# Altium PCB Archimbu.PcbDoc (part 5 of 5) (continued)
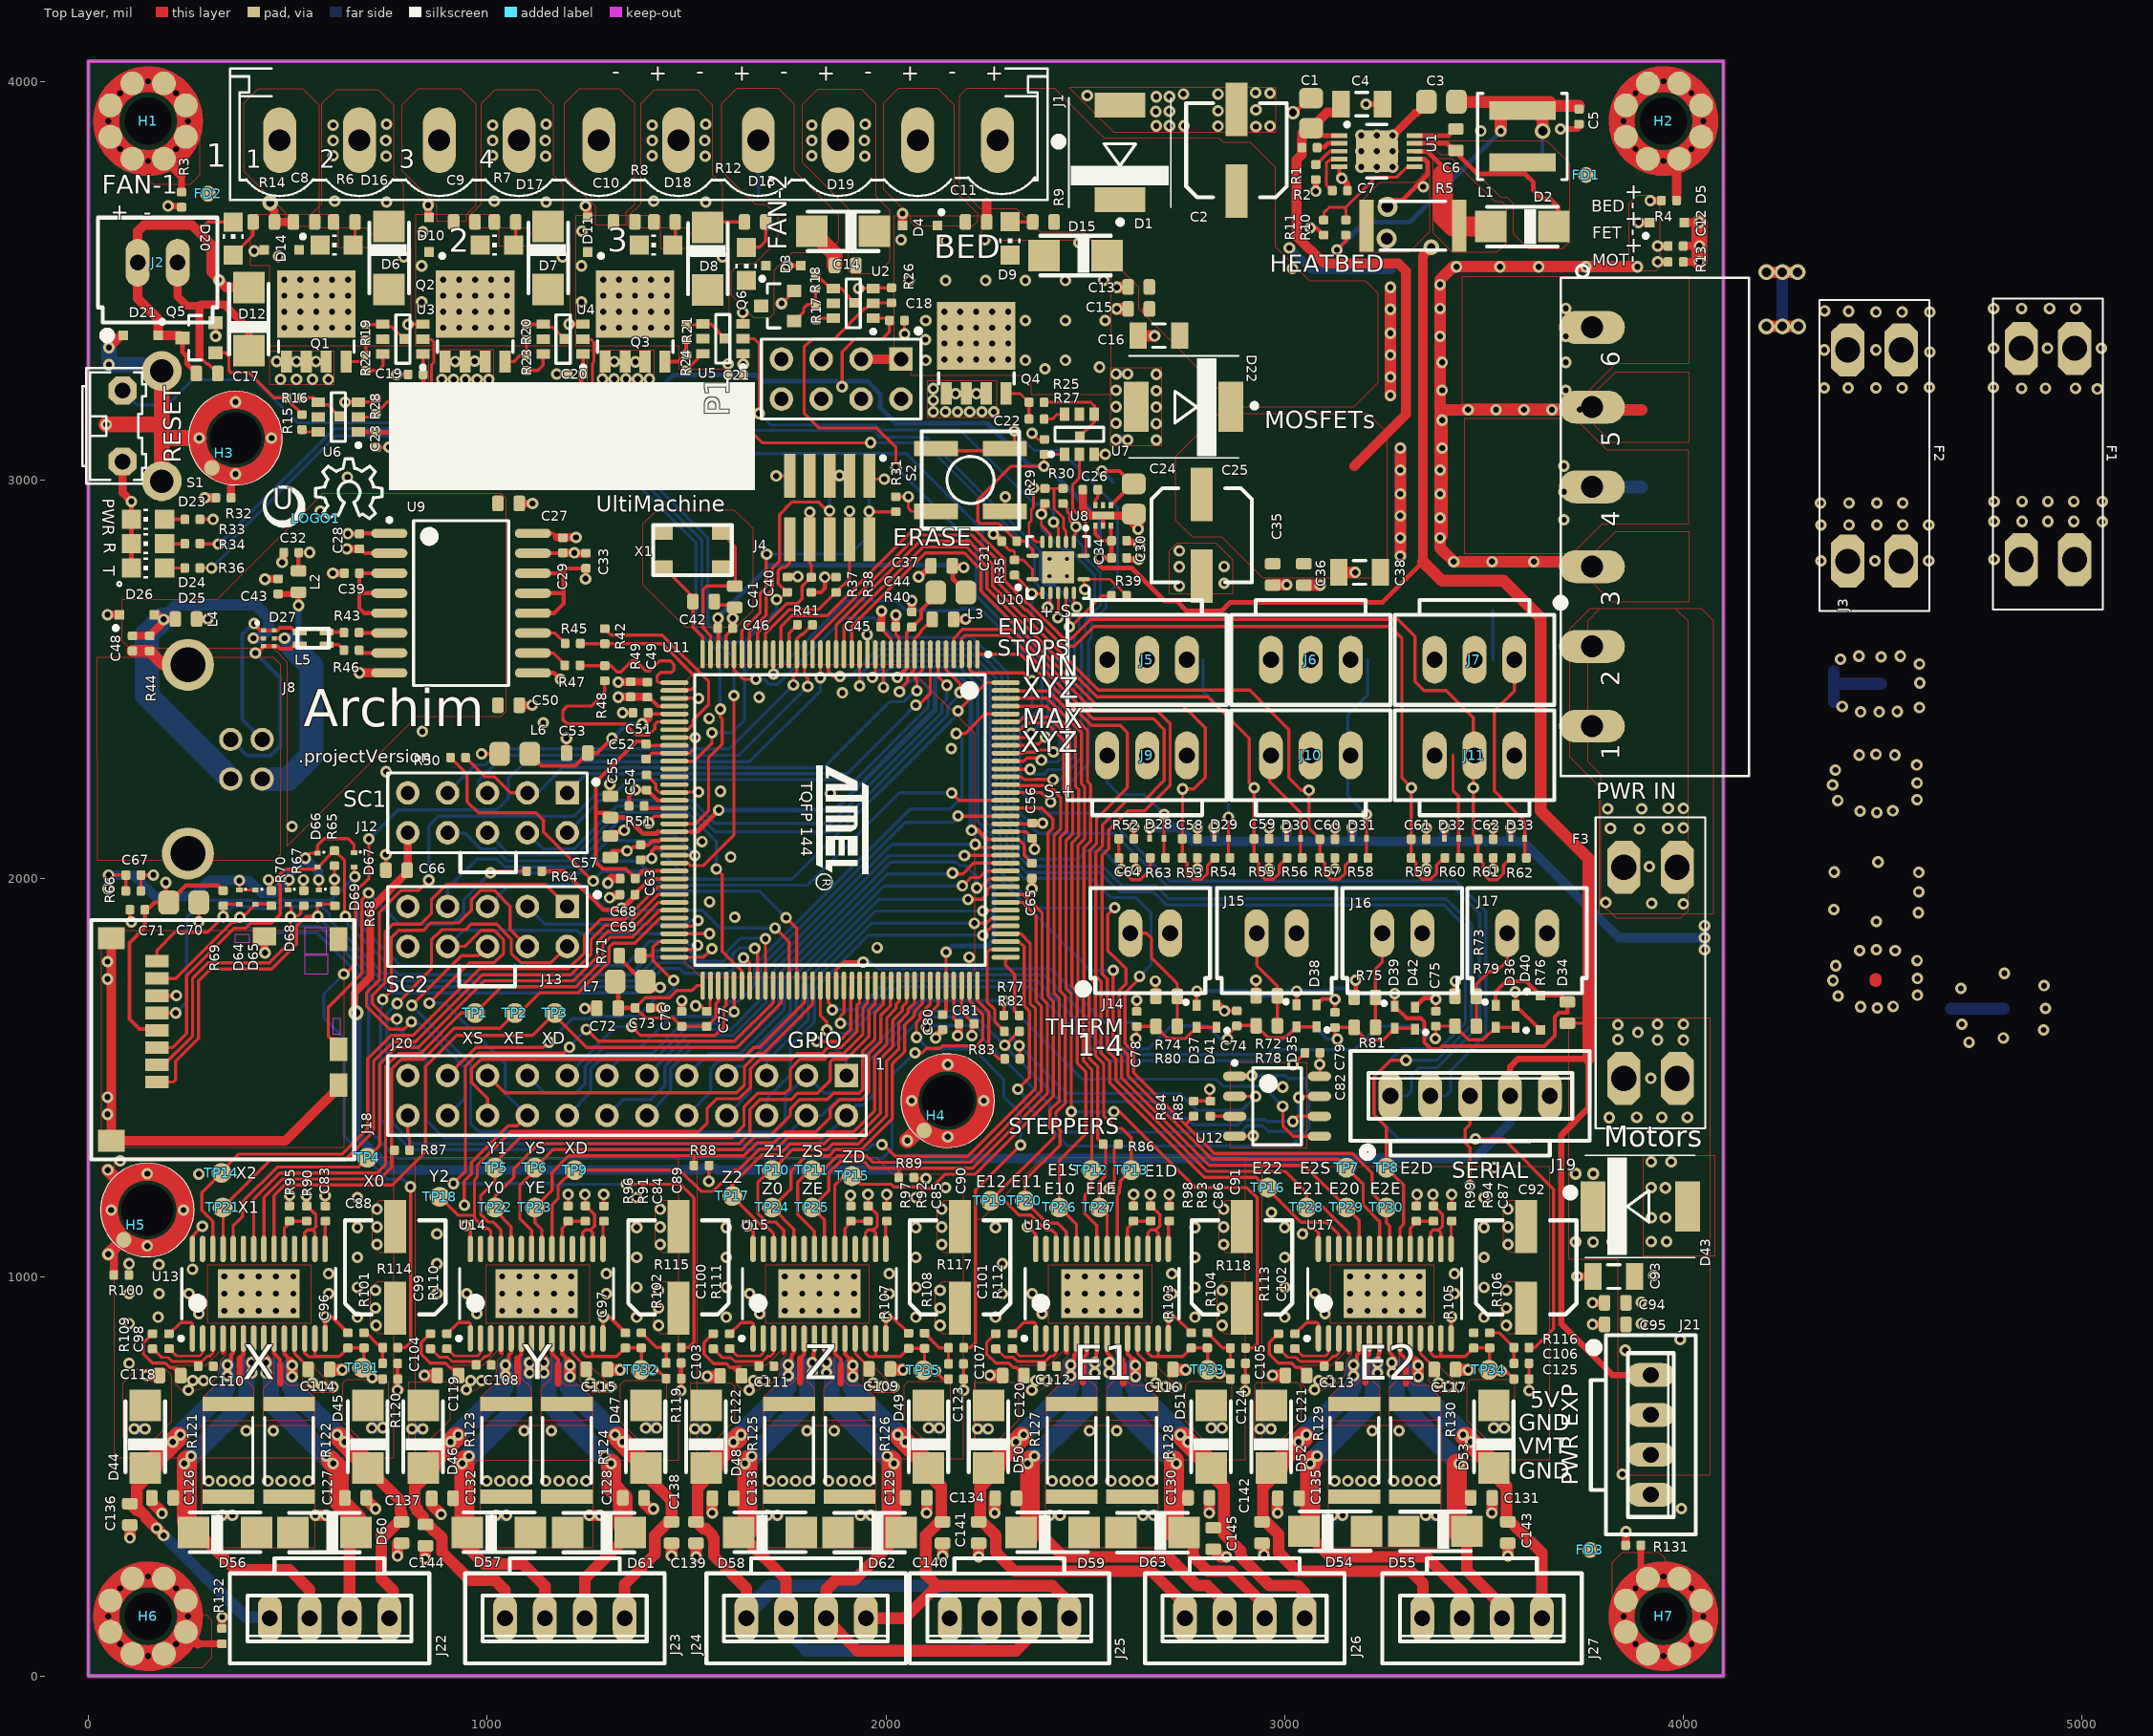
[diagram p0: Top Layer view]
## Polygon pours and split planes (outlines as drawn) (continued)
GND on Top Layer "Motor-Thermal" (solid, shelved, pour order 190): 983,321 983,629 1133,629 1265,629 1265,321
NetR123_2 on Top Layer "Motor-Thermal" (solid, shelved, pour order 155): 1111.6,641 1111.6,722 1085.6,748 1085.6,808.53 1084.92,809.21 1069.68,793.98 1069.68,749.08 1050.6,730 1014.6,730 983.6,699 983.6,641
NetR124_2 on Top Layer "Motor-Thermal" (solid, shelved, pour order 157): 1136,641 1136,722 1162,748 1162,808.53 1162.69,809.21 1177.92,793.98 1177.92,749.08 1197,730 1233,730 1264,699 1264,641
+12VCC1 on Top Layer "Top Layer-MTR +" (solid, shelved, pour order 185): 1263,783 1263,774 1298,739 1316,739 1316,729 1320,725 1313,710 1263,710 1234,739 1234,783
+12VCC1 on Top Layer "Top Layer-MTR +" (solid, shelved, pour order 180): 1040,817 1040,805 1028,793 1027,792 1027,793 1020.5,750.5 1003,733 959,712 935,712 920,727 914,733 914,775 919,780 991,780 1028,817
GND on Top Layer "DirectConnect" (solid, remove dead copper, shelved, pour order 156): 3899.01,1069.85 3899.01,1054.85 4079.01,1054.85 4079.01,1304.85 3979.01,1304.85 3899.01,1304.85
+12VCC1 on Top Layer "DirectConnect" (solid, remove dead copper, shelved, pour order 172): 4067.91,1650 3711.61,1650 3711.61,1046.26 3835,1046.26 3835,950 3835,504.92 4067.91,504.92
NetD2_A on Top Layer "DirectConnect" (solid, shelved, pour order 158): 3371,3806 3371,3670 3371,3621 3420,3572 3533,3572 3557,3596 3557,3685 3545,3697 3528,3697 3447,3778 3420,3805 3374,3805
NetC6_2 on Top Layer "DirectConnect" (solid, shelved, pour order 159): 18 vertices, not listed, extent 3368,3580 3715,3850
GND on Top Layer "DirectConnect" (solid, shelved, pour order 160): 3354,3773 3326,3745 3238,3745 3188,3695 3188,3572 3313,3572 3362,3621 3364,3623 3364,3756 3364,3773
NetF3_1 on Top Layer "Bottom Layer-No Net" (solid, remove dead copper, shelved, pour order 171): 3767,2678 4045,2678 4075,2648 4075,1911 3790,1911 3790,2225 3790,2230 3770,2250 3715,2305 3715,2360 3715,2626
+12VCC1 on Top Layer "Top Layer-MTR +" (solid, shelved, pour order 146): 3615,989 3561,989 3543,971 3543,878 3554,867 3562,859 3615,859
+12VCC1 on Top Layer "Top Layer-MTR +" (solid, shelved, pour order 145): 2902,989 2848,989 2830,971 2830,878 2841,867 2849,859 2902,859
+12VCC1 on Top Layer "Top Layer-MTR +" (solid, shelved, pour order 144): 2195,989 2141,989 2123,971 2123,878 2134,867 2142,859 2195,859
+12VCC1 on Top Layer "Top Layer-MTR +" (solid, shelved, pour order 143): 1489,989 1435,989 1417,971 1417,878 1428,867 1436,859 1489,859
+12VCC1 on Top Layer "Top Layer-MTR +" (solid, shelved, pour order 142): 779,989 725,989 707,971 707,878 718,867 726,859 779,859
GND on Top Layer "Top Layer-MTR +" (solid, shelved, pour order 141): 3619,1192.36 3565,1192.36 3547,1174.36 3547,1081.36 3558,1070.36 3566,1062.36 3619,1062.36
GND on Top Layer "Top Layer-MTR +" (solid, shelved, pour order 140): 2906,1192.36 2852,1192.36 2834,1174.36 2834,1081.36 2845,1070.36 2853,1062.36 2906,1062.36
GND on Top Layer "Top Layer-MTR +" (solid, shelved, pour order 139): 2199,1192.36 2145,1192.36 2127,1174.36 2127,1081.36 2138,1070.36 2146,1062.36 2199,1062.36
GND on Top Layer "Top Layer-MTR +" (solid, shelved, pour order 138): 1493,1192.36 1439,1192.36 1421,1174.36 1421,1081.36 1432,1070.36 1440,1062.36 1493,1062.36
GND on Top Layer "Top Layer-MTR +" (solid, shelved, pour order 137): 783,1192.36 729,1192.36 711,1174.36 711,1081.36 722,1070.36 730,1062.36 783,1062.36
NetF3_1 on Top Layer "PWR IN" (solid, shelved, pour order 228): 3790,2677 3759,2646 3759,2295 3792,2262 3792,1940 3831,1901 3993,1901 4012,1920 4012,2162 4012,2645 3980,2677 3791,2677
GND on Top Layer "DirectConnect" (solid, shelved, pour order 230): 2459,3984 2571,3872 2978,3872 2978,3984
+12VCC2 on Top Layer "DirectConnect" (solid, shelved, pour order 231): 3222,2755 3258,2791 3258,3117 3210,3165 2877,3165 2833,3165 2726,3058 2726,2900 2768,2858 2842,2858 2945,2755
GND on Top Layer "DirectConnect" (solid, shelved, pour order 232): 2710,2715 2870,2715 2870,2799 2828,2841 2729,2841 2710,2822 2710,2765
HTR1 on Top Layer "DirectConnect" (solid, shelved, pour order 242): 948,3649 948,3665 961,3678 972,3689 972,3942 934,3980 826,3980 786,3940 786,3776 873,3689 873,3649
+12VCC2 on Top Layer "DirectConnect" (solid, shelved, pour order 245): 954,3639 954,3661 986,3693 986,3944 1021,3979 1127,3979 1165,3941 1165,3766 1189,3742 1189,3617 1175,3603 1126,3603 1097,3632 960,3632 955,3637
FGND on Top Layer "DirectConnect" (solid, shelved, pour order 258): 145.67,3784.45 145.67,3759.33 163,3742 255.78,3742 279.53,3765.75 279.53,3886.81 278.54,3887.8
FGND on Top Layer "DirectConnect" (solid, shelved, pour order 257): 265.55,154.33 295.47,154.33 309.06,140.75 309.06,45.28 284.25,20.47 163.19,20.47 162.2,21.46
FGND on Top Layer "DirectConnect" (solid, shelved, pour order 256): 3954.33,265.55 3954.33,294.68 3940.03,308.98 3845.2,308.98 3820.47,284.25 3820.47,163.19 3821.46,162.2
FN1 on Top Layer "DirectConnect" (solid, remove dead copper, shelved, pour order 260): 29 vertices, not listed, extent 1587,3408 1882,3982
+12VCC2 on Top Layer "DirectConnect" (solid, remove dead copper, shelved, pour order 262): 1791,3942 1829,3980 1900,3980 1938,3980 1974,3944 1974,3712 2009,3677 2009,3548 1977,3516 1914.22,3516 1906,3524.22 1906,3681 1791,3796
HTR0 on Top Layer "DirectConnect" (solid, shelved, pour order 243): 580,3636 580,3939 539,3980 425,3980 389,3944 389,3774.99 438,3726 494,3670 494,3636
+12VCC2 on Top Layer "DirectConnect" (solid, shelved, pour order 246): 554,3639 554,3661 586,3693 586,3944 621,3979 727,3979 765,3941 765,3766 789,3742 789,3617 775,3603 726,3603 697,3632 560,3632 555,3637
+12VCC3 on Top Layer "DirectConnect" (solid, shelved, pour order 229): 25 vertices, not listed, extent 2184,3184 3235,3981
GND on Top Layer "DirectConnect" (solid, shelved, pour order 233): 2563,3280 2563,3086 2692,3086 2692,3269 2692,3280
GND on Bottom Layer "DirectConnect" (solid, shelved, pour order 252): 1275.2,3326 1418,3326 1418,3238 1275.2,3238
SNTP on Bottom Layer "DirectConnect" (solid, shelved, pour order 131): 2387.43,2825.17 2387.43,2736.22 2476.38,2736.22 2476.38,2825.17
GND on Bottom Layer "DirectConnect" (solid, shelved, pour order 250): 454,3324 619,3324 619,3236 453,3236 453,3324
GND on Bottom Layer "DirectConnect" (solid, shelved, pour order 251): 873.98,3326 1018,3326 1018,3238 873.98,3238
GND on Bottom Layer "DirectConnect" (solid, shelved, pour order 248): 2103.5,3247.37 2103.5,3156.37 2279.5,3156.37 2279.5,3247.37 2103.5,3247.37
GND on Bottom Layer "PWR IN" (solid, shelved, pour order 223): 4014,2694 3821,2694 3778,2737 3778,2819 3830,2871 4014,2871
GND on Bottom Layer "PWR IN" (solid, shelved, pour order 224): 4014,3094 3821,3094 3778,3137 3778,3219 3830,3271 4014,3271
NetF2_1 on Bottom Layer "PWR IN" (solid, shelved, pour order 221): 4014,3074 3809,3074 3730,3153 3450,3153 3450,2816 3722,2816 3796,2890 4014,2890
NetF1_1 on Bottom Layer "PWR IN" (solid, shelved, pour order 219): 4014,3291 3830,3291 3730,3191 3446,3191 3446,3510 4014,3510
GND on Bottom Layer "Coupler Bot GND" (solid, shelved, pour order 212): 747,2268 634,2268 611,2291 611,2985 641,3015 1248,3015 1279,2984 1279,2419 1240,2380 859,2380
GND on Bottom Layer "Top Layer-No Net" (solid, remove dead copper, shelved, pour order 169): 85.57,1300 85.57,756 763,756 763,1300
GND on Bottom Layer "Top Layer-No Net" (solid, remove dead copper, shelved, pour order 167): 777,1300 777,756 1472,756 1472,1300
GND on Bottom Layer "Top Layer-No Net" (solid, remove dead copper, shelved, pour order 165): 1488,1300 1488,756 2178,756 2178,1300
GND on Bottom Layer "Top Layer-No Net" (solid, remove dead copper, shelved, pour order 163): 2194,1300 2194,756 2886,756 2886,1300
GND on Bottom Layer "Bot Layer-MTR sense" (solid, shelved, pour order 174): 3115.86,477 3115.86,537 3238.86,660 3262.86,660 3379.86,543 3379.86,475
GND on Bottom Layer "Bot Layer-MTR sense" (solid, shelved, pour order 176): 292.42,477 292.42,537 415.42,660 439.42,660 556.42,543 556.42,475
GND on Bottom Layer "Bot Layer-MTR sense" (solid, shelved, pour order 173): 989.28,477 989.28,537 1112.28,660 1136.28,660 1253.28,543 1253.28,475
GND on Bottom Layer "Bot Layer-MTR sense" (solid, shelved, pour order 175): 1697.4,477 1697.4,537 1820.4,660 1844.4,660 1961.4,543 1961.4,475
GND on Bottom Layer "Bot Layer-MTR sense" (solid, shelved, pour order 177): 2406,477 2406,537 2529,660 2553,660 2670,543 2670,475
+12VCC1 on Bottom Layer "Bottom Layer-MTR PWR" (solid, remove dead copper, shelved, pour order 178): 3775,1650 4067.91,1650 4067.91,355 3930,355 3750,355 3626,231 586,231 345,231 226,350 56,520 56,756 3614,756 3614,1305 3775,1305
GND on Bottom Layer "Top Layer-No Net" (solid, remove dead copper, shelved, pour order 161): 2900,1300 2900,756 3599.13,756 3599.13,1300
GND on Bottom Layer "Bottom Layer-SMPS GND" (solid, remove dead copper, shelved, pour order 179): 2995,3635.84 3063.45,3567.39 3064.62,3565.95 3785,3565.94 3785,4002.95 2995,4002.95 2995,3955
NetF3_1 on Bottom Layer "PWR IN" (solid, shelved, pour order 227): 3766,2677 3725,2636 3725,2296 3769,2252 3769,1963 3831,1901 3993,1901 4074,1982 4074,2614 4011,2677 3791,2677
+12VCC3 on Bottom Layer "DirectConnect" (solid, shelved, pour order 234): 3174,3184 3235,3245 3235,3467 3193,3509 3034,3509 2968,3443 2968,3220 3004,3184
+12VCC2 on Bottom Layer "DirectConnect" (solid, shelved, pour order 235): 22 vertices, not listed, extent 582,2793 3233,3981
HTBD on Bottom Layer "DirectConnect" (solid, shelved, pour order 236): 2022,3278 2045,3278 2063,3260 2566,3260 2566,3550 2434,3682 2019,3682 2019,3281
HTRA on Bottom Layer "DirectConnect" (solid, shelved, pour order 237): 1222,3332 1428,3332 1483,3277 1608,3277 1608,3682 1222,3682
HTR1 on Bottom Layer "DirectConnect" (solid, shelved, pour order 238): 1208,3332 1208,3682 820,3682 820,3333 820,3332
HTR0 on Bottom Layer "DirectConnect" (solid, shelved, pour order 239): 809,3332 809,3682 411,3682 406,3682 406,3332
GND on Bottom Layer "DirectConnect" (solid, shelved, pour order 247): 3290,2795 3414,2795 3414,2858 3414,3545 3383,3545 3248,3545 3248,2795
GND on Bottom Layer "DirectConnect" (solid, shelved, pour order 130): 3829.72,3520.67 3901.57,3520.67 3915.35,3534.45 3915.35,3611.22 3942.91,3638.78 3942.91,3702.09 3921.26,3723.74 3855.63,3723.74 3829.72,3697.83
no net on Top Overlay "Logo" (solid, shelved): 17 vertices, not listed, extent 440.94,2881.89 542.07,2983.27
HTR1 on Ground Plane (split plane): 1064.9,3367.1 875.1,3367.1 875.1,3516.9 1064.9,3516.9
HTR0 on Ground Plane (split plane): 666.9,3367.1 476.1,3367.1 476.1,3516.9 666.9,3516.9
HTBD on Ground Plane (split plane): 2321.9,3287.1 2131.1,3287.1 2131.1,3436.9 2321.9,3436.9
HTRA on Ground Plane (split plane): 1465.9,3367.1 1276.1,3367.1 1276.1,3516.9 1465.9,3516.9
GND on Ground Plane (split plane): 67 vertices, not listed, extent 83.1,20.1 4014.9,3983.9
USB_GND on Ground Plane (split plane): 806.9,2947.89 806.9,2438 806.9,2387.11 537.4,2117.6 464.89,2045.1 83.1,2045.1 83.1,2699.9 319,2699.9 320.95,2700.29 322.6,2701.4 431.6,2810.4 588.11,2966.9 787.89,2966.9
FGND on Ground Plane (split plane): 58 vertices, not listed, extent 20.1,20.1 4079.9,4029.9
no net on Power Plane (split plane): 33 vertices, not listed, extent 3527.03,3860.03 3556.97,3889.97
+5VCC on Power Plane (split plane): 36 vertices, not listed, extent 2993.1,3560.1 4079.9,4029.9
no net on Power Plane (split plane): 4079.9,3180.1 3332.85,3180.1 3332.85,3207.76 3332.85,3549.9 4079.9,3549.9
+12VCC3 on Power Plane (split plane): 3322.66,3207.76 3322.66,3180.1 3007.11,3180.1 2965.1,3222.11 2965.1,3548.9 3038.27,3548.9 3040.22,3549.29 3041.14,3549.9 3322.66,3549.9
+5VCC on Power Plane (split plane): 33 vertices, not listed, extent 3116.03,3562.03 3145.97,3591.97
+12VCC2 on Power Plane (split plane): 49 vertices, not listed, extent 2245.03,3817.03 2314.97,3886.97
HTBD on Power Plane (split plane): 2321.4,3287.1 2131.59,3287.1 2131.59,3436.9 2321.4,3436.9
no net on Power Plane (split plane): 4079.9,1860.1 3785.1,1860.1 3785.1,2075 3784.71,2076.95 3783.6,2078.6 3765.1,2097.11 3765.1,2240 3764.71,2241.95 3763.6,2243.6 3705.1,2302.11 3705.1,2365 3705.1,2719.9 4079.9,2719.9
no net on Power Plane (split plane): 4079.9,2730.1 3705.1,2730.1 3705.1,2786.42 3704.71,2788.37 3703.6,2790.02 3701.95,2791.13 3700,2791.52 3332.85,2791.52 3332.85,3169.9 4079.9,3169.9
no net on Power Plane (split plane): 49 vertices, not listed, extent 3949.35,1993.8 4019.3,2063.75
no net on Power Plane (split plane): 49 vertices, not listed, extent 3815.35,1463.8 3885.3,1533.75
no net on Power Plane (split plane): 49 vertices, not listed, extent 3815.35,1993.8 3885.3,2063.75
no net on Power Plane (split plane): 49 vertices, not listed, extent 3949.35,1463.8 4019.3,1533.75
+12VCC2 on Power Plane (split plane): 49 vertices, not listed, extent 1845.03,3817.03 1914.97,3886.97
no net on Power Plane (split plane): 49 vertices, not listed, extent 1445.03,3817.03 1514.97,3886.97
+12VCC2 on Power Plane (split plane): 1466.37,3368.2 1276.57,3368.2 1276.57,3518 1466.37,3518
no net on Power Plane (split plane): 49 vertices, not listed, extent 1045.03,3818.03 1113.97,3886.97
+12VCC2 on Power Plane (split plane): 1064.9,3367.1 875.1,3367.1 875.1,3516.9 1064.9,3516.9
+12VCC2 on Power Plane (split plane): 49 vertices, not listed, extent 645.03,3817.03 714.97,3886.97
+12VCC2 on Power Plane (split plane): 666.4,3367.1 476.59,3367.1 476.59,3516.9 666.4,3516.9
+12VCC1 on Power Plane (split plane): 4079.9,20.1 20.1,20.1 20.1,1029.9 3481,1029.9 3482.95,1030.29 3484.6,1031.4 3783.6,1330.4 3784.71,1332.05 3785.1,1334 3785.1,1563.75 3785.1,1849.9 4079.9,1849.9
3.3VCC on Power Plane (split plane): 157 vertices, not listed, extent 20.1,1040.1 3774.9,3439.9
NRST on Power Plane (split plane): 64 vertices, not listed, extent 925.06,1057.33 3481.94,1244.94
HTBD on Power Plane (split plane): 19 vertices, not listed, extent 2019.1,3259.1 2566.9,3682.9
+12VCC2 on Power Plane (split plane): 51 vertices, not listed, extent 20.1,2791.52 3322.66,4029.9
VUSB on Power Plane (split plane): 18 vertices, not listed, extent 20.1,2045.1 1048.9,2966.9

## Keep-outs
Keep-Out Layer:
  the board outline again, w10

## Other copper
Ground Plane (plane layer: these items are gaps in the copper):
  circle w10: c4482,1749 r35
  circle w10: c4481,2239.48 r35
  circle w10: c4248.48,3451.96 r35
  lines w10: 0,2050 10,2040 ; 0,2880 0,3207.79 ; 78,2040 467,2040 541,2114 812,2385 812,2438 812,2950 790,2972 667,2972 586,2972 428,2814 319,2705 78,2705 ; 283,9 283,202 205,280 78,280 78,2705 ; 3750,2 3750,195 3910,355 3971.3,355 4020,355 4020,1660 4020,2410 4020,2785 4020,3355 4020,3560 4001.25,3578.75 4001.25,3700 3945,3700 3794.92,3850.08 3795,3850.08 3795,3989 301,3989 301,3754 85,3754 85,3300 78,3293 78,3285.79 78,2705 ; 471,3362 672,3362 672,3522 471,3522 471,3362 ; 870,3362 1070,3362 1070,3522 870,3522 870,3362 ; 1271,3362 1471,3362 1471,3522 1271,3522 1271,3362 ; 2126,3282 2126,3442 2327,3442 2327,3282 2126,3282
Power Plane (plane layer: these items are gaps in the copper):
  circle w10: c1880,3852 r40
  circle w10: c4413,2797 r40
  circle w10: c4547,2797 r40
  circle w10: c4803,1674 r40
  circle w10: c4981,2801 r40
  circle w10: c3542,3875 r20
  circle w10: c4485,1966 r40
  circle w10: c4495,2488.48 r40
  circle w10: c3131,3577 r20
  circle w10: c1480,3852 r40
  circle w10: c1080,3852 r40
  circle w10: c680,3852 r40
  circle w10: c3850.32,2028.78 r40
  circle w10: c3984.32,2028.78 r40
  circle w10: c3850.32,1498.78 r40
  circle w10: c3984.32,1498.78 r40
  circle w10: c2280,3852 r40
  circle w10: c1880,3852 r40
  circle w10: c1480,3852 r40
  circle w10: c1079,3853 r40
  circle w10: c680,3852 r40
  lines w10: -2,2705 319,2705 428,2814 586,2972 1041,2972 1054,2959 1054,2416 1039,2401 828,2401 552,2125 467,2040 0,2040 ; 0,0 1.16,1035 3481,1035 3780,1334 3780,1563.75 3780,2075 3760,2095 3760,2240 3700,2300 3700,2365 3700,2786.42 2730.58,2786.42 2572,2945 2572,3555.21 2438.21,3689 ; 10,3680 10,3445 300,3445 ; 300,3440 300,3326 1658,3326 1721,3263 1990,3263 2009,3282 2127,3282 2327,3282 2355,3254 2566.9,3254 ; 345,10 355,0 ; 2014,3282 2014,3688 2437.21,3688 ; 2988,4048 2988,3555 3327.76,3555 3327.76,3207.76 3327.76,2786.42 ; 3038.27,3554 2960,3554 2960,3220 3005,3175 3295,3175 4100,3175 ; 3295,3555 4100,3555 4100,3630 ; 3700,2725 3750,2725 4090,2725 4090,2765 4100,2775 4100,2870 ; 3780,1855 4090,1855 ; 4095,1290 4095,2715 ; 4847,2761 cw(c4847,2801) 4849.45,2761.08 ; 471.5,3362 471.5,3522 671.5,3522 671.5,3362 471.5,3362 ; 870,3362 870,3522 1070,3522 1070,3362 870,3362 ; 1271.47,3363.1 1271.47,3523.1 1471.47,3523.1 1471.47,3363.1 1271.47,3363.1 ; 2126.5,3282 2126.5,3442 2326.5,3442 2326.5,3282 2126.5,3282
  lines w24: 913,1170 929,1154 946.14,1154 1054.86,1045.28 3432.02,1045.28 3451.77,1065.02 3482.28,1095.54 3482.28,1208.28 3494,1220 3494,1242 3479,1257 3452,1257 3437,1242 3437,1216 3444,1209 3443.9,1208.9 3443.9,1113.3 3417.22,1086.61 1067.39,1086.61 975,1179 975,1191 957,1209 930,1209 913,1192 913,1170

## Silkscreen, mask and mechanical layers (free items; w line width, h text height)
Top Overlay:
  circle w12: c2081.57,3373.65 r6
  circle w5: c77.76,2739.17 r5.02
  circle w12: c2587.6,3646.65 r6
  circle w12: c2924.21,3186.02 r6
  circle w20: c3716.54,1212.6 r10
  circle w5: c491.14,2933.07 r50.92
  circle w20: c3207.68,1313.98 r12
  circle w20: c47.24,3362.2 r10
  circle w24: c2495,1723.36 r10
  circle w24: c3775.59,823.82 r10
  circle w20: c3691.93,2691.93 r10
  circle w8: c3747.05,3523.62 r15.02
  circle w20: c2433.07,3848.43 r10
  circle w12: c1273,2242.48 r6
  circle w12: c1276.57,1959.65 r6
  circle w5: c485.57,2938.5 r42
  rectangle: 753.94,2974.41 1672.24,3245.41
  lines w10: 930.12,1779.53 930.12,1730.28 1069.88,1730.28 1069.88,1779.49 ; 933.07,2065 933.07,2015.75 1072.83,2015.75 1072.83,2064.96
  text "1" at 296,3766 h100
  text "+-+-+-" at 3857.28,3744.09 h40 r270
  text "FAN-1" at 34.45,3701.77 h80
  text "BED" at 3768.7,3672.24 h30
  text "+  -" at 56.1,3651.57 h40
  text "FET" at 3771.65,3605.31 h30
  text "FAN-2" at 1767,3577 h80 r90
  text "3" at 1302,3554 h100
  text "2" at 904,3553 h100
  text "BED" at 2120.92,3537.18 h100
  text "MOT" at 3771.65,3536.42 h30
  text "HEATBED" at 2963,3507 h75
  text "MOSFETs" at 2950,3115 h75
  text "RESET" at 246.22,3042.52 h75 r90
  text "PWR" at 36,2954 h30 r270
  text "UltiMachine" at 1273.62,2919.29 h40
  text "U" at 461.61,2909.45 h90
  text "R" at 39,2843 h30 r270
  text "ERASE" at 2017.72,2819.88 h75
  text "T" at 37,2784 h30 r270
  text "+-S" at 2384.84,2655.51 h32
  text "END" at 2280.51,2612.2 h40
  text "STOPS" at 2279.53,2558.07 h40
  text "MIN" at 2345.63,2490.16 h90
  text "XYZ" at 2340.55,2434.06 h90
  text "MAX" at 2341.54,2360.24 h86
  text "Archim" at 540,2351 h160
  text "XYZ" at 2338.58,2299.21 h90
  text ".projectVersion" at 526.57,2291.34 h32
  text "S-+" at 2395.67,2203.74 h32
  text "PWR IN" at 3781.5,2199.8 h40
  text "SC1" at 639.76,2179.13 h40
  text "SC2" at 746.06,1714.57 h40
  text "THERM" at 2400.59,1608.27 h40
  text "XS" at 937.99,1585.63 h30
  text "XE" at 1040.35,1585.63 h30
  text "XD" at 1136.81,1585.63 h30
  text "GPIO" at 1753.94,1574.8 h40
  text "1-4" at 2480,1537.21 h90
  text "STEPPERS" at 2307.09,1358.27 h40
  text "Motors" at 3800,1310 h90
  text "Y1" at 1000,1309.06 h30
  text "YS" at 1096.46,1309.06 h30
  text "XD" at 1193.9,1309.06 h30
  text "Z1" at 1693.9,1301.18 h30
  text "ZS" at 1789.37,1301.18 h30
  text "ZD" at 1889.76,1287.4 h30
  text "E22" at 2918.31,1258.86 h30
  text "E2S" at 3038.39,1258.86 h30
  text "E2D" at 3289.37,1258.86 h30
  text "E1S" at 2405.51,1253.94 h30
  text "E1D" at 2648.62,1251.97 h30
  text "SERIAL" at 3419.29,1249.02 h40
  text "X2" at 370.08,1247.05 h30
  text "Y2" at 855.32,1239.17 h30
  text "Z2" at 1588.58,1236.22 h30
  text "X0" at 689.96,1227.36 h30
  text "E12" at 2225.39,1225.39 h30
  text "E11" at 2314.96,1225.39 h30
  text "Y0" at 993.11,1209.65 h30
  text "YE" at 1096.46,1209.65 h30
  text "Z0" at 1688.98,1207.68 h30
  text "ZE" at 1789.37,1207.68 h30
  text "E10" at 2396.65,1207.68 h30
  text "E1E" at 2501.97,1207.68 h30
  text "E21" at 3019.69,1207.68 h30
  text "E20" at 3111.22,1207.68 h30
  text "E2E" at 3214.57,1207.68 h30
  text "X1" at 375,1160.43 h30
  text "X" at 386.81,715.55 h150
  text "Y" at 1089.57,715.55 h150
  text "Z" at 1795.28,715.55 h150
  text "E1" at 2470.47,714.57 h150
  text "E2" at 3183.07,714.57 h150
  text "5V" at 3615.16,658.46 h70
  text "GND" at 3586.61,601.38 h70
  text "VMT" at 3586.61,542.32 h70
  text "GND" at 3586.61,480.32 h70
  text "PWR EXP" at 3750,478.35 h70 r90
Bottom Overlay:
  text "5V" at 3627.95,3726.38 h30 r270
  text "HTBD" at 2065.29,3648.38 h30 r270
  text "VBED" at 2265.75,3648.38 h30 r270
  text "HTR1" at 474,3647 h30 r270
  text "HTR3" at 1270,3646 h30 r270
  text "HTR2" at 867,3643 h30 r270
  text "VHEAT" at 662.07,3618.39 h30 r270
  text "VHEAT" at 1062.99,3618.39 h30 r270
  text "VHEAT" at 1463.91,3618.39 h30 r270
  text "VHEAT" at 1864.83,3618.39 h30 r270
  text "FAN2" at 1669,3563 h30 r270
  text "FAN1" at 281,3396 h30 r270
  text "+" at 4014,3345.93 h70
  text "VHEAT" at 109,3333 h30 r270
  text "BED" at 4030.51,3255.91 h50
  text "VIN1" at 3749.02,3233.27 h30 r270
  text "VBED" at 3186.02,3230.32 h30 r270
  text "GND" at 3323.82,3198.82 h30 r270
  text "-" at 4014.9,3147.76 h70
  text "VHEAT" at 2895.67,3088.58 h30 r270
  text "GND" at 1281.5,3012.8 h30 r270
  text "PA1_CANRX0" at 1341.89,3012.8 h30 r270
  text "PA0_CANTX0" at 1394.26,3012.8 h30 r270
  text "PA14_RTS1" at 1446.64,3012.8 h30 r270
  text "PA15_CTS1" at 1499.02,3012.8 h30 r270
  text "3V3" at 2605.89,2956.54 h30 r270
  text "+" at 4014,2945.93 h70
  text "SWO/TDO" at 1795,2943 h30 r270
  text "5V" at 1281.5,2908.25 h30 r270
  text "TMS/SWDIO" at 1999,2892 h30 r270
  text "HEAT" at 4042.32,2858.27 h50
  text "VIN2" at 3751.97,2838.58 h30 r270
  text "GND" at 3324.8,2820.87 h30 r270
  text "ERASE" at 2564.96,2774.61 h30 r270
  text "-" at 4014.9,2747.76 h70
  text "TDI" at 1793.31,2737.2 h30 r270
  text "PA16_SCK1" at 1394.26,2713.31 h30 r270
  text "PA12_RXD1" at 1446.64,2713.31 h30 r270
  text "PA13_TXD1" at 1499.02,2713.31 h30 r270
  text "PC2_PWML0" at 1341.89,2698.32 h30 r270
  text "GND" at 3508.86,2693.9 h30 r270
  text "3V3" at 2620.08,2630.91 h30
  text "GND" at 2738.19,2630.91 h30
  text "X-MIN" at 2899.61,2630.38 h30
  text "TCK/SWCLK" at 1892.72,2550.2 h30 r270
  text "+" at 4013.78,2550.2 h70
  text "USBN" at 545.28,2484.25 h30
  text "MOT" at 4027.56,2454.72 h50
  text "VIN3" at 3749.02,2439.96 h30 r270
  text "RESET" at 1628.94,2410.43 h30 r270
  text "USBP" at 639.76,2405.51 h30
  text "GND" at 2742.13,2387.8 h30
  text "3V3" at 2858.27,2387.8 h30
  text "X-MAX" at 2629.92,2387.27 h30
  text "-" at 4014.76,2345.47 h70
  text "GND" at 1281.5,2312.01 h30 r270
  text "PB25_TIOA0" at 1341.89,2312.01 h30 r270
  text "PA3_TIOB1" at 1394.26,2312.01 h30 r270
  text "PB27_TIOB0" at 1446.64,2312.01 h30 r270
  text "PA26_MOSI" at 1499.02,2312.01 h30 r270
  text "USBGND" at 192.91,2221.46 h30 r270
  text "3V3" at 1281.5,2175.58 h30 r270
  text "NRST" at 1333.87,2145.59 h30 r270
  text "USB5V" at 541.34,2121.06 h30 r270
  text "X-MAX" at 2484.25,2106.3 h30 r270
  text "PA29_CS" at 1446.64,2055.62 h30 r270
  text "X-MIN" at 2721.46,2007.95 h30 r270
  text "Y-MIN" at 3045.28,2007.95 h30 r270
  text "Z-MIN" at 3455.71,2007.95 h30 r270
  text "Y-MAX" at 2905.51,2002.95 h30 r270
  text "Z-MAX" at 3300.2,2002.95 h30 r270
  text "PA25_MISO" at 1394.26,2000.63 h30 r270
  text "PA27_SCLK" at 1499.02,1995.64 h30 r270
  text "FGND" at 3886.81,1697.83 h30 r270
  text "T1" at 2614.17,1677.17 h30 r270
  text "T4" at 3313.98,1665.35 h30 r270
  text "T2" at 2791.34,1664.37 h30 r270
  text "T3" at 3062.01,1661.42 h30 r270
  text "GND" at 1232.28,1573.82 h30 r270
  text "PA18_SCL" at 1299.45,1573.82 h30 r270
  text "PB13_AD9" at 1358.6,1573.82 h30 r270
  text "PB14_PWMH2" at 1417.76,1573.82 h30 r270
  text "PB15_DAC0" at 1476.91,1573.82 h30 r270
  text "PB9_EMDIO" at 1536.06,1573.82 h30 r270
  text "PB8_EMDC" at 1595.21,1573.82 h30 r270
  text "PB6_ERX1" at 1654.37,1573.82 h30 r270
  text "PB3_ETX1" at 1713.52,1573.82 h30 r270
  text "PB1_ETXEN" at 1772.67,1573.82 h30 r270
  text "PA26_MOSI" at 1831.82,1573.82 h30 r270
  text "PB21_CS2" at 1890.98,1573.82 h30 r270
  text "OVREF" at 2938.98,1520.67 h30 r270
  text "PA26_MOSI" at 2682.09,1479.33 h30
  text "5V" at 3501.97,1316.27 h30 r270
  text "GND" at 3599.41,1286.28 h30 r270
  text "FLSH_CS" at 3038.39,1262.8 h30 r270
  text "3V3" at 1233.27,1260.66 h30 r270
  text "NRST" at 1410.13,1230.67 h30 r270
  text "VMOT" at 3872.05,1190.94 h30 r270
  text "HOLD#" at 2608.27,1176.18 h30 r270
  text "PA9_UTXD" at 3300.2,1136.33 h30 r270
  text "PA8_URXD" at 3398.62,1136.33 h30 r270
  text "PA17_SDA" at 1300.24,1115.71 h30 r270
  text "PB12_AD8" at 1359.19,1115.71 h30 r270
  text "PA25_MISO" at 2809.06,1112.2 h30 r270
  text "PB5_ERX0" at 1653.95,1110.71 h30 r270
  text "PB2_ETX0" at 1712.9,1110.71 h30 r270
  text "PA27_SCLK" at 2710.63,1101.38 h30 r270
  text "PB16_DAC1" at 1477.09,1095.72 h30 r270
  text "PA25_MISO" at 1830.81,1085.72 h30 r270
  text "PB7_ERXER" at 1536.05,1080.72 h30 r270
  text "PB0_ETXCK" at 1771.86,1080.72 h30 r270
  text "PA27_SCLK" at 1889.76,1080.72 h30 r270
  text "PB4_ECRSDV" at 1595,1050.73 h30 r270
  text "5V" at 3837.6,742.13 h30
  text "GND" at 3840.55,640.75 h30
  text "XREF" at 672.24,609.25 h30 r270
  text "YREF" at 1370.08,607.28 h30 r270
  text "ZREF" at 2079.72,605.32 h30 r270
  text "E1REF" at 2790.35,582.68 h30 r270
  text "E2REF" at 3494.09,573.82 h30 r270
  text "VMOT" at 3838.58,539.37 h30
  text "X-A1" at 262.68,519.09 h30 r270
  text "X-B1" at 462.68,519.09 h30 r270
  text "Y-A1" at 967.01,519.09 h30 r270
  text "Y-B1" at 1159.19,519.09 h30 r270
  text "Z-A1" at 1666.18,519.09 h30 r270
  text "Z-B1" at 1866.18,519.09 h30 r270
  text "X-A2" at 362.68,509.09 h30 r270
  text "X-B2" at 562.68,509.09 h30 r270
  text "Y-A2" at 1059.19,509.09 h30 r270
  text "Y-B2" at 1259.19,509.09 h30 r270
  text "Z-A2" at 1766.18,509.09 h30 r270
  text "Z-B2" at 1966.18,509.09 h30 r270
  text "E1-A1" at 2375,494.09 h30 r270
  text "E1-B1" at 2575.79,494.09 h30 r270
  text "E2-A1" at 3086.38,488.36 h30 r270
  text "E2-B1" at 3287.4,488.36 h30 r270
  text "E1-A2" at 2477.36,484.1 h30 r270
  text "E1-B2" at 2678.15,484.1 h30 r270
  text "E2-A2" at 3185.04,478.37 h30 r270
  text "E2-B2" at 3383.86,478.37 h30 r270
  text "GND" at 3838.58,437.99 h30
  text "E2-A1" at 3328.5,229.19 h30 r270
  text "E2-A2" at 3427.17,229.19 h30 r270
  text "E2-B1" at 3529.53,229.19 h30 r270
  text "E2-B2" at 3625.98,229.19 h30 r270
  text "Z-A1" at 2141.89,227.64 h30 r270
  text "Z-A2" at 2241.89,227.64 h30 r270
  text "Z-B1" at 2341.89,227.64 h30 r270
  text "Z-B2" at 2441.89,227.64 h30 r270
  text "Y-A1" at 1031.97,226.69 h30 r270
  text "Y-A2" at 1124.15,226.69 h30 r270
  text "Y-B1" at 1224.15,226.69 h30 r270
  text "Y-B2" at 1324.15,226.69 h30 r270
  text "X-A1" at 437.87,225.94 h30 r270
  text "X-A2" at 537.87,225.94 h30 r270
  text "X-B1" at 637.87,225.94 h30 r270
  text "X-B2" at 737.87,225.94 h30 r270
  text "E1-A1" at 2731.3,226.38 h30 r270
  text "E1-A2" at 2833.66,226.38 h30 r270
  text "E1-B1" at 2932.09,226.38 h30 r270
  text "E1-B2" at 3034.45,226.38 h30 r270
  text "Z-A1" at 1633.7,224.68 h30 r270
  text "Z-A2" at 1733.7,224.68 h30 r270
  text "Z-B1" at 1833.7,224.68 h30 r270
  text "Z-B2" at 1933.7,224.68 h30 r270
Mechanical 15:
  the board outline again, w10

## Dimensions
-28,3135 to 0,0 on Mechanical 8
0,4050 to 150,3900 on Mechanical 8
0,4065 to 150,3900 on Mechanical 8
0,0 to 0,4050 on Mechanical 8
150,3900 to 150,150 on Mechanical 8
3950,3900 to 150,3900 on Mechanical 8
0,4050 to 4100,4050 on Mechanical 8

## Text inside footprints (layer, text, board x,y; h text height)
J1: Top Overlay "+    -    +    -    +    -    +    -    +    -" at 2295,4037 h40 r180; Top Overlay "1" at 395,3767 h77.5; Top Overlay "2" at 580,3767 h77.5; Top Overlay "3" at 780,3767 h77.5; Top Overlay "4" at 980,3767 h77.5
J2: Mechanical 8 "1" at 61.5,3482.5 h62
J3: Top Overlay "1" at 3855.63,2297.48 h77.5 r90; Top Overlay "2" at 3855.63,2482.48 h77.5 r90; Top Overlay "3" at 3855.63,2682.48 h77.5 r90; Top Overlay "4" at 3855.63,2882.48 h77.5 r90; Top Overlay "6" at 3855.63,3282.48 h77.5 r90; Top Overlay "5" at 3855.63,3082.48 h77.5 r90
J5: Mechanical 8 "1" at 2817.5,2611.5 h62 r180
J6: Mechanical 8 "1" at 3228,2611.5 h62 r180
J7: Mechanical 8 "1" at 3638.5,2611.5 h62 r180
J9: Mechanical 8 "1" at 2492.5,2246.5 h62
J10: Mechanical 8 "1" at 2903,2246.5 h62
J11: Mechanical 8 "1" at 3313.5,2246.5 h62
J14: Mechanical 8 "1" at 2550.5,1800.5 h62
J15: Mechanical 8 "1" at 2867.5,1800.5 h62
J16: Mechanical 8 "1" at 3182.5,1800.5 h62
J17: Mechanical 8 "1" at 3495.5,1800.5 h62
J20: Top Overlay "1" at 1972.44,1520.67 h30
U11: Top Overlay "R" at 1833.56,1999.83 h37.2 r270; Top Overlay "TQFP 144" at 1778.05,2244.46 h49.6 r270